# Altium PCB Archim.PcbDoc (part 3 of 5)
Units mil, origin at the board's own origin, x right, y up, seen from the top; angles counter-clockwise.
Board outline 4100 x 4050 mil, 4 copper layers (Top Layer, Ground Plane, Power Plane, Bottom Layer), stack 59.2 mil thick; 511 components, 264 nets, 1461 pads, 1193 vias.
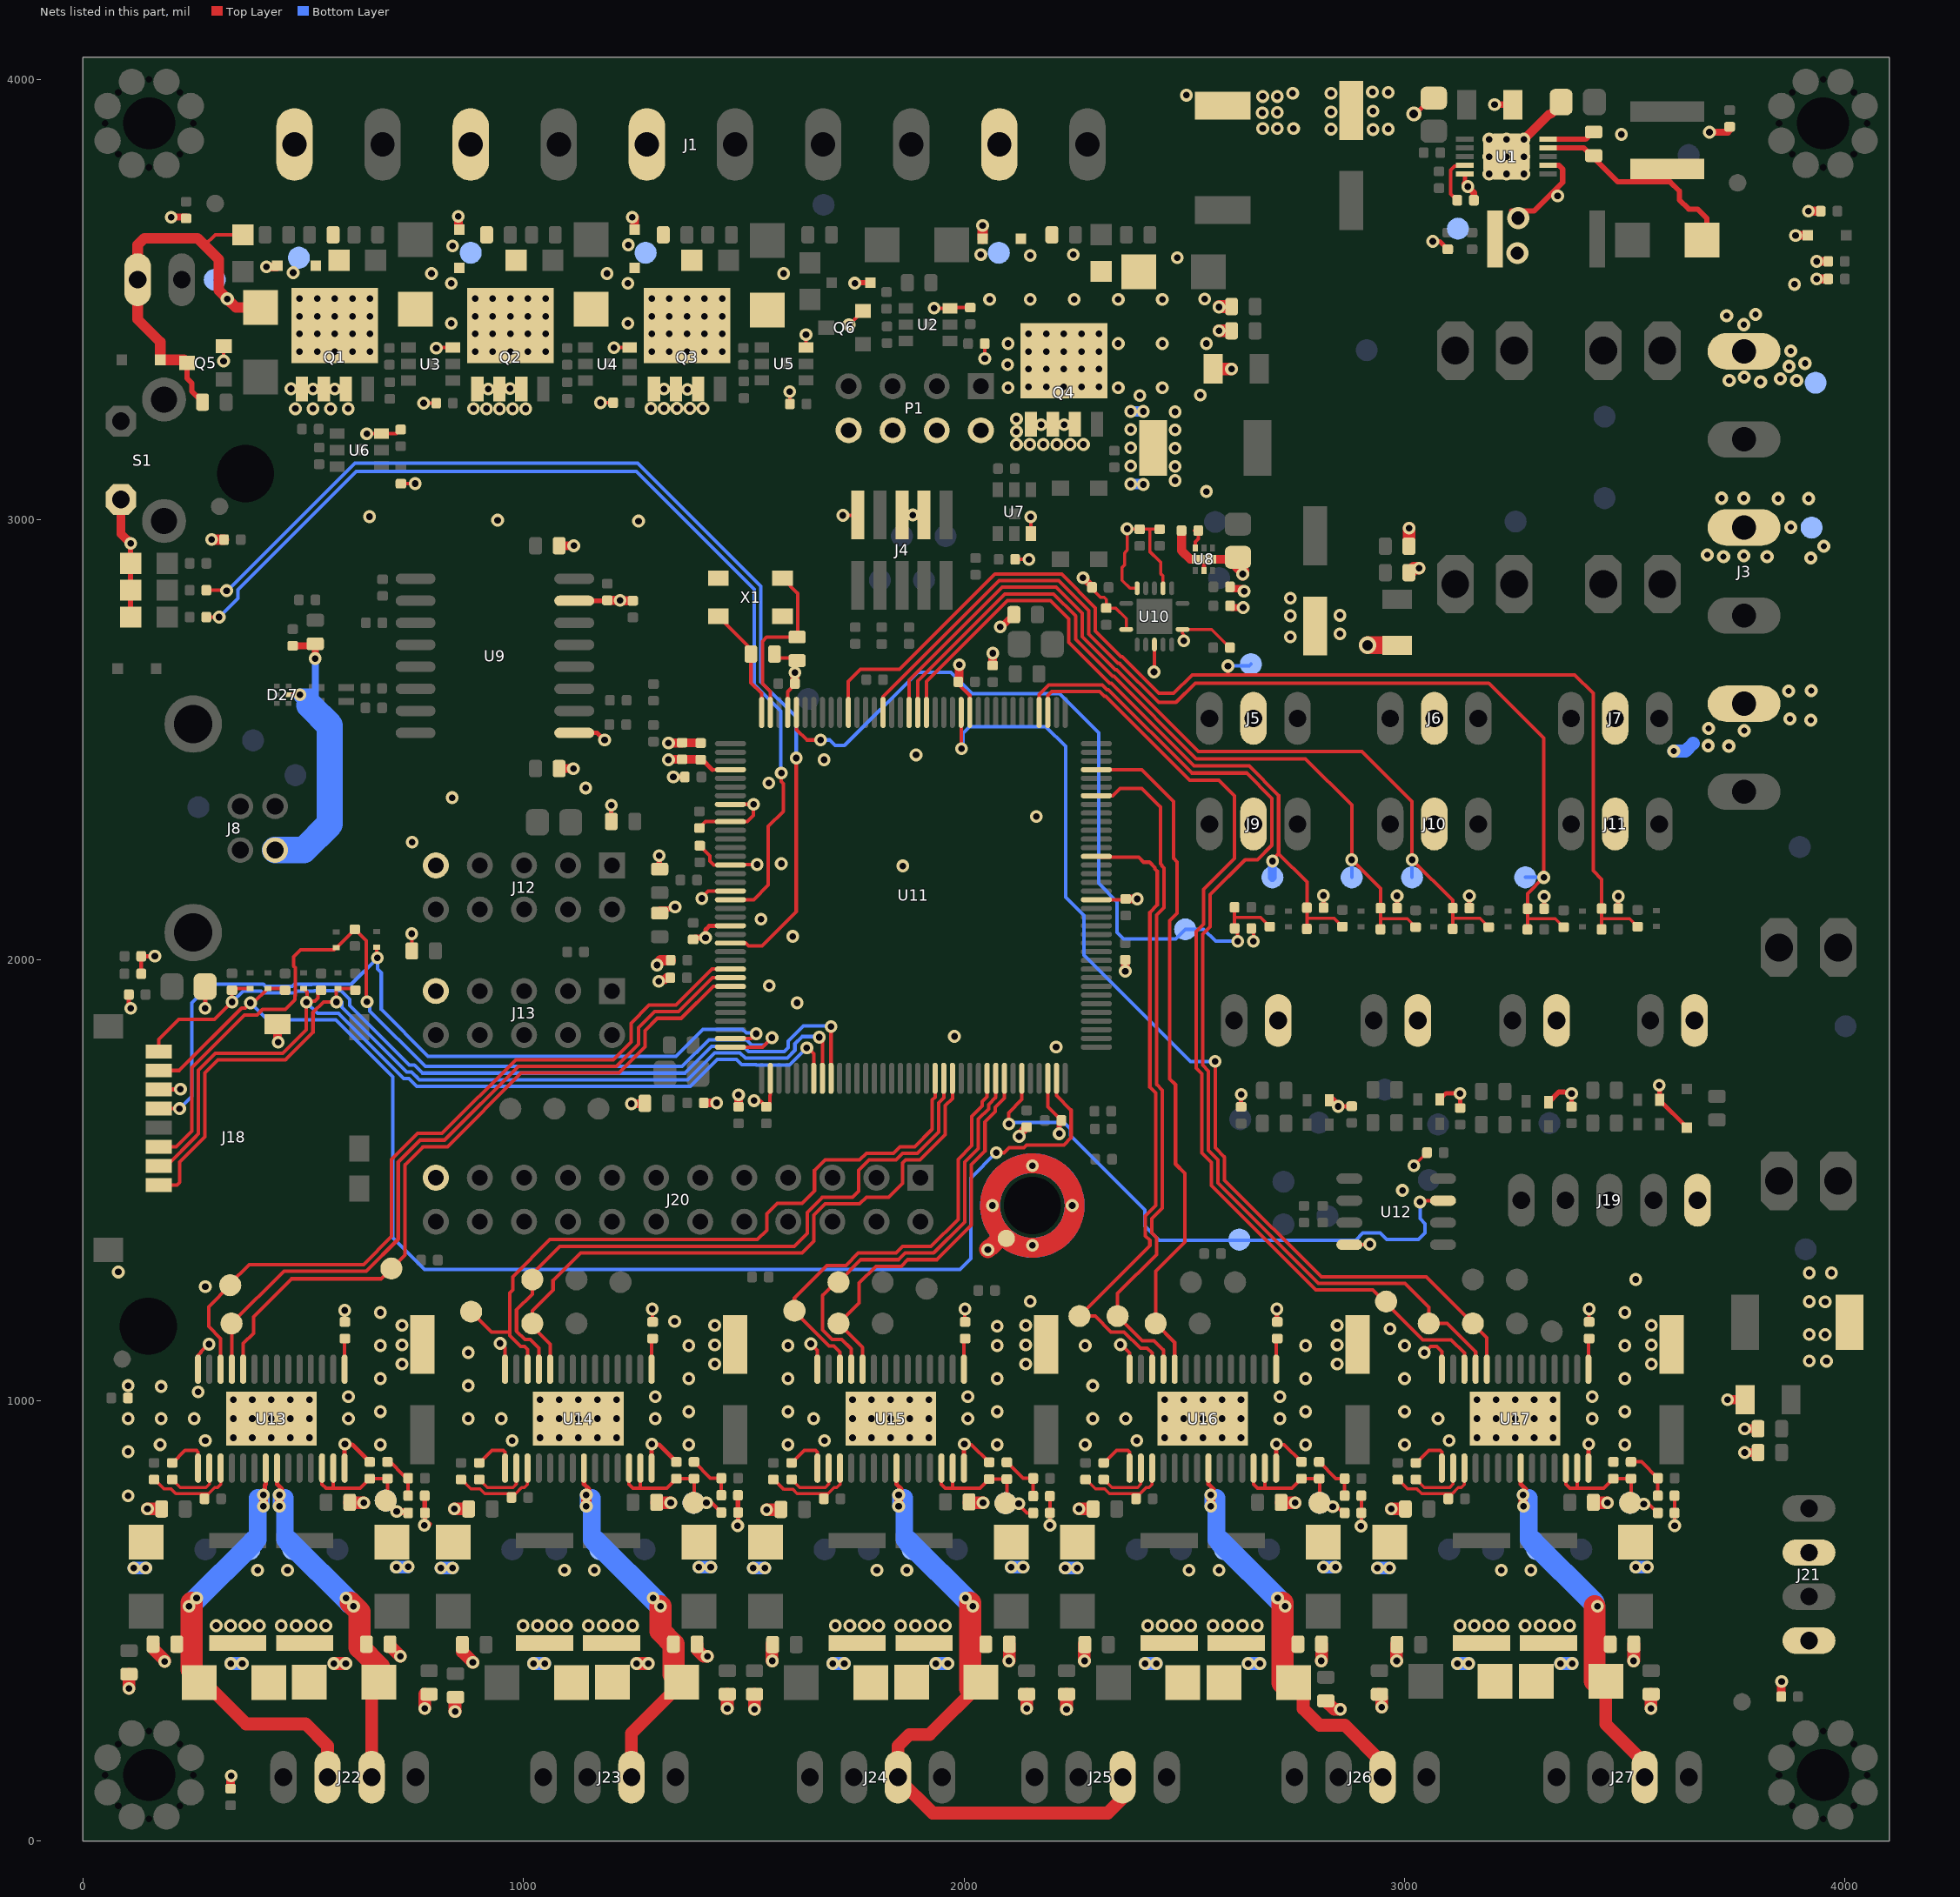
[diagram p5: the nets of this part, all layers, seen from the top]

## Via types
v1: diameter 29, hole 15, Top Layer to Bottom Layer, tented both sides, 953 vias
v2: diameter 30, hole 15, Top Layer to Bottom Layer, tented both sides, 105 vias
v3: diameter 30, hole 14, Top Layer to Bottom Layer, tented both sides, 99 vias
v4: diameter 40, hole 24, Top Layer to Bottom Layer, 16 vias
v5: diameter 30, hole 15, Top Layer to Bottom Layer, 9 vias
v6: diameter 25, hole 10, Top Layer to Bottom Layer, tented both sides, 4 vias
v7: diameter 50, hole 30, Top Layer to Bottom Layer, 2 vias
v8: diameter 40, hole 20, Top Layer to Bottom Layer, tented both sides, 1 vias
v9: diameter 34, hole 20, Top Layer to Bottom Layer, tented both sides, 1 vias
v10: diameter 40, hole 24, Top Layer to Bottom Layer, tented both sides, 1 vias
v11: diameter 38, hole 22, Top Layer to Bottom Layer, tented both sides, 1 vias
v12: diameter 45, hole 24, Top Layer to Bottom Layer, 1 vias

## Nets (pads, with @x,y where several pads share a name; then routed paths per layer and width w, separated by ;. In a path a pad name is that pad's centre, name@x,y a point inside that pad or via, vN(x,y) a via of type N, cw(c..) or ccw(c..) an arc to the next point about the centre after c; other vN are vias at no path point) (continued)
GND: C1.2 C2.2 C3.2 C4.2 C5.1 C7.2 C12.2 C13.2 C15.2 C16.2 C18.1 C19.1 C20.1 C21.1 C22.2 C23.1 C24.2 C25.2 C26.2 C27.2 C29.2 C30.2 C31.1 C33.2 C34.2 C35.2 C36.2 C37.1 C38.2 C41.2 C42.2 C44.2 C45.2 C46.2 C49.2 C50.2 C51.2 C52.2 C53.1 C54.2 C55.1 C56.2 C57.1 C58.2 C59.2 C60.2 C61.2 C62.2 C63.2 C64.2 C65.2 C66.1 C67.2 C68.2 C69.2 C70.2 C71.2 C72.1 C73.2 C74.2 C75.2 C76.2 C77.2 C78.2 C79.2 C80.2 C81.2 C82.2 C83.1 C84.1 C85.1 C86.1 C87.1 C88.2 C89.2 C90.2 C91.2 C92.2 C93.2 C94.2 C95.2 C96.1 C97.1 C103.1 C104.1 C105.1 C106.1 C107.1 C109.2 C114.2 C115.2 C116.2 C117.2 C118.2 C119.2 C120.2 C121.2 C122.2 C123.1 C124.1 C125.1 C126.2 C127.1 C128.1 C129.1 C130.1 C131.1 C132.2 C133.2 C134.2 C135.2 C136.2 C137.2 C138.2 C139.2 C140.2 C141.2 C142.2 C143.2 C144.2 C145.2 D1.A D3.A D4.A D5.C D10.A D11.A D14.A D22.A D23.C D24.C D25.C D34.A D38.A D40.A D41.A D42.A D43.A D44.A D45.A D46.A D47.A D48.A D49.A D50.A D51.A D52.A D53.A D54.A D55.A D56.A D57.A D58.A D59.A D60.A D61.A D62.A D63.A H4.1 J3.2 J3.4 J3.6 J4.3 J4.5 J4.9 J5.2 J6.2 J7.2 J9.2 J10.2 J11.2 J12.9 J13.9 J14.2 J15.2 J16.2 J17.2 J18.6 J18.14 J19.5 J20.23 J21.2 J21.4 P1.2 P1.4 P1.6 P1.8 Q1.1 Q1.2 Q1.3 Q2.1 Q2.2 Q2.3 Q3.1 Q3.2 Q3.3 Q4.1 Q4.2 Q4.3 Q5.2 Q6.2 R3.1 R4.1 R5.1 R11.2 R13.1 R26.1 R28.1 R29.1 R30.1 R32.1 R35.1 R39.1 R49.1 R66.2 R100.1 R103.1 R105.1 R107.1 R119.1 R120.1 R121.1 R122.1 R123.1 R124.1 R125.1 R126.1 R127.1 R128.1 R129.1 R130.1 R131.1 R132.1 S1.2 TP45.1 TP51.1 TP55.1 U1.5 U1.7 U1.11 U2.3 U3.3 U4.3 U5.3 U6.3 U7.3 U8.2 U8.7 U9.9 U9.15 U10.1 U10.4 U10.7 U10.10 U10.13 U11.12 U11.33 U11.44 U11.46 U11.51 U11.54 U11.58 U11.74 U11.106 U11.126 U12.4 U13.14 U13.28 U13.29 U14.14 U14.28 U14.29 U15.14 U15.28 U15.29 U16.14 U16.28 U16.29 U17.14 U17.28 U17.29 X1.2 X1.4 | length 9517.3
  Top Layer w7: v1(1725,3010) 1758.08,3010 J4.9@1759,3010.92 ; v1(2270,2868) v1@2270,2868.98 ; C31.1@2289.06,2849.92 2289.06,2844.47 2309.71,2823.82 2317.91,2823.82 2322.83,2818.9 R35.1@2322.83,2799.41 2344.29,2799.41 2368.11,2775.59 U10.1@2368.11,2750.98 ; v1@2366.14,2979.33 v1(2370.08,2979.33) ; U10.13@2392.72,2844.49 2376.97,2844.49 2358.86,2862.6 2358.86,2891.55 2364.88,2897.57 2364.88,2924.87 2366.14,2926.13 2366.14,2927.17 2370.08,2931.1 2370.08,2975.39 2366.93,2978.54 R29.1@2398.62,2978.54 2418.62,2978.54 ; v1(2431.1,2654.53) 2432.09,2655.51 U10.4@2432.09,2716.54 ; R30.1@2443.9,2978.54 2418.62,2978.54 ; U10.10@2451.77,2844.49 2451.77,2872.13 2446.09,2877.81 2446.09,2903.5 2430.45,2919.15 2430.13,2919.15 2421.4,2927.87 2421.4,2975.77 2418.62,2978.54 ; v1(2499.02,2725.39) 2499.02,2739.17 2496.06,2742.13 U10.7@2496.06,2750.98 2562.21,2750.98 R39.1@2603.54,2709.65 ; v1(3020.82,1533.54) 3020.82,1535.2 3022.64,1537.02 3016.54,1543.12 3031.01,1543.12 C82.2@3050.88,1562.99
  Top Layer w8: R66.2@131.9,1969 131.9,2008.9 C67.2@132,2009 ; U13.28@261.1,1071.2 261.1,1102.16 267.86,1108.91 267.86,1110.86 285,1128 v1(286,1128) ; v2(319,3360.26) 319.37,3360.63 Q5.2@319.37,3394 ; C83.1@593.57,1178.7 v1@593.57,1208 ; v1(644.01,3195.28) U6.3@677.47,3195.28 711.38,3195.28 R28.1@721,3204.9 ; C23.1@721.51,3081.79 721.72,3082 v1(754,3082) v1@754,3080.5 ; v1(746.06,2060.04) 746.23,2059.87 C66.1@746.23,2021 ; v1(773.23,3264.76) 775.2,3264.76 C19.1@801.77,3264.76 ; v1(801.77,3389.76) 802.76,3390.75 U3.3@839.17,3390.75 ; v1(946.9,1129.98) 948.02,1129.98 957.96,1120.04 U14.28@957.96,1071.2 ; v1(1174.8,3265.75) C20.1@1203.35,3265.75 ; v1(1205.32,3390.75) U4.3@1240.75,3390.75 U4.3@1241.07,3390.75 ; C84.1@1292.42,1178.7 v1(1292.42,1208) ; C52.2@1396,2297 C52.2@1399,2300 1413.43,2314.43 U11.46@1469.65,2314.43 1507.95,2314.43 1522,2328.48 v1(1522,2354) ; C54.2@1400,2260 1423.21,2236.79 1423.21,2224.79 1432,2216 U11.51@1469.65,2216 1470.65,2217 v1(1530,2217) ; v1(1405,2140) 1405,2143 1418.94,2156.94 U11.54@1469.65,2156.94 ; U11.44@1469.65,2353.8 v1@1517.2,2353.8 ; v1(1523,1681) 1537,1681 C77.2@1551,1667 1559,1675 1559,1693 1560.2,1694.2 U11.74@1560.2,1731.75 ; C42.2@1569.77,2695 1578.75,2686.02 1615.2,2686.02 C41.2@1621,2680.23 ; U11.33@1599.57,2562.46 1599.57,2609.57 C46.2@1615,2625 ; v1(1604.2,3291) 1604.2,3289.6 v1@1604.5,3289.3 ; C21.1@1604.5,3263 v1@1604.5,3289.3 ; v1(1641.2,3420) 1641.2,3422 1641.39,3421.8 U5.3@1641.39,3391.4 U5.3@1641.9,3390.9 ; v1(1652,1129) 1667.08,1113.92 U15.28@1667.08,1071.2 ; v2(1738.63,3442.63) 1739,3442.63 Q6.2@1770.37,3474 ; v2(1752,3537) v2@1753,3538 ; v1@1882,3011 v1@1882.08,3010.92 ; v1(1931.78,3480.4) 1931.78,3481.39 1932.76,3480.4 U2.3@1968.2,3480.4 1969.69,3481.9 R26.1@2014,3481.9 ; C45.2@1989,2634 C45.2@1987,2632 1987,2627.33 2012.95,2601.38 U11.12@2012.95,2562.46 ; v1@1999.76,900.22 2016.68,900.22 R107.1@2057,859.9 ; C85.1@2001.54,1178.7 v1@2001.54,1208 ; C18.1@2046.7,3400 2046.7,3366.3 v1(2047,3366) ; C22.2@2116,2910 2117,2911 2118,2910 v1(2147,2910) ; U7.3@2151.4,2968.12 v1(2151.4,3006.78) ; U11.106@2190.12,1731.75 2190.12,1666.88 C81.2@2221,1636 C81.2@2216,1631 ; C107.1@2194.7,783 C123.1@2194.7,745 2194.7,717.3 v1(2195,717) ; U11.126@2300.35,2137.26 C56.2@2364.26,2137.26 ; v1(2355,1127) 2356.48,1127 2375.68,1107.8 U16.28@2375.68,1071.2 ; C56.2@2364.26,2136.26 C56.2@2367,2139 ; C64.2@2652,2072 2657,2067 v1(2657,2043) ; v1@2708.36,900.22 2726.68,900.22 R103.1@2766,860.9 ; U12.4@2874.7,1354 2920,1354 v1(2921,1355) ; v1(2901,715) 2901.7,715.7 C124.1@2901.7,745 C105.1@2901.7,784 ; v1(3045,1109) 3059,1123 3073,1123 3084.54,1111.46 U17.28@3084.54,1071.2 ; C87.1@3419,1178.7 v1(3419,1208) ; C106.1@3612.7,784 C125.1@3612.7,745 3612.7,718.3 3613,718 v1(3613,716) ; v1@1604.5,3289.3 1604.5,3292.3 1605.2,3293 1605.2,3290 v1@1604.5,3289.3
  Top Layer w10: C71.2@104.13,1922 104.13,1900 108.13,1896 v1(108.13,1891) ; C67.2@132,2009 v1(163,2009) ; J18.6@171.77,1706.24 220.36,1706.24 v1(221.13,1707) ; v1(277.13,1891) C70.2@277.13,1940 ; U13.14@593.78,846.8 v1@593.78,900.22 ; v1(594.57,901) v1@593.78,900.22 ; C96.1@651,860.7 611.48,900.22 v1@593.78,900.22 ; C104.1@775.7,784 775.7,745.2 R120.1@775.9,745 v1@775.9,719.9 ; v1@786,717 786,719 v1@786.9,719.9 ; U9.9@1115.12,2516 1167.41,2516 1184,2499.41 v1(1184,2500) ; U9.15@1115.12,2816 1189,2816 C29.2@1190,2817 ; v1(1199,2352) 1199,2315.23 C53.1@1199.23,2315 ; U14.14@1290.64,846.8 v1@1290.64,900.22 ; v1(1291.42,901) v1@1290.64,900.22 ; v1(1303,1989) 1303,1992 v1@1311,2000 ; C69.2@1325,1960 1317,1960 1322,1965 C69.2@1337,1965 ; v1(1340,2416) C51.2@1366,2416 ; C97.1@1347,860.7 1307.48,900.22 v1@1290.64,900.22 ; R49.1@1359.1,2493 R49.1@1360,2493.9 ; C63.2@1385,2047 C63.2@1389,2051 ; C49.2@1401.1,2493.9 C49.2@1402,2493 ; v1(1413,2051) 1413,2069 1421.5,2077.5 1468.94,2077.5 U11.58@1469.65,2078.2 ; v1(1486,716) 1486.9,716.9 R119.1@1486.9,746 1486.7,746.2 C103.1@1486.7,785 ; U15.14@1999.76,846.8 1999.76,900.22 v1(2000.54,901) ; v1(2125,1600) v1@2125,1604 ; U8.2@2544.65,2885.01 U8.7@2544.65,2910.6 ; C78.2@2629,1666.87 v1(2629,1695) ; U16.14@2708.36,846.8 v1@2708.36,900.22 ; v1(2710.14,1208) 2710.14,1179.56 C86.1@2711,1178.7 2711,1193.06 ; C58.2@2816,2119 v1(2816,2147) ; v1(2849,1668) 2850,1668 2850.43,1668.43 C74.2@2880,1668.43 ; C59.2@2983,2118 v1(2983,2146) ; v9@3022,3920 3023.68,3920 3063.68,3960 C1.2@3066.18,3957.49 ; v1(3064,3632) 3080,3632 R11.2@3098,3614 ; D38.A@3080,1683.56 3094.44,1698 v1@3130,1698 ; C79.2@3126,1664.43 v1(3126,1697) ; v1@3136.83,3762.91 U1.5@3136.83,3785.06 ; C60.2@3147,2118 v1(3147,2146) ; C61.2@3316.82,2116.82 v1(3316.82,2144.82) ; 3362,1701 v1@3380,1701 ; C75.2@3379,1667.43 v1(3379,1697) ; U17.14@3417.22,846.8 3417.22,900.22 v1(3418,901) ; C62.2@3485,2117 v1(3485,2145) ; v1(3578,1716) 3579,1715 D40.A@3579,1682.56 3579,1682 D34.A@3641,1620 ; v1(2816,2147) 2817,2148 2817,2151 2816,2150 v1(2816,2147) ; v1(2983,2146) 2984,2147 2984,2150 2983,2149 v1(2983,2146) ; v1(3147,2146) 3148,2147 3148,2150 3147,2149 v1(3147,2146) ; v1(3316.82,2144.82) 3317.82,2145.82 3317.82,2148.82 3316.82,2147.82 v1(3316.82,2144.82) ; v1(3485,2145) 3486,2146 3486,2149 3485,2148 v1(3485,2145)
  Top Layer w12: D25.C@108,2779 D24.C@108,2840 D23.C@108,2901 v1(108,2946) ; C55.1@1307,2218.77 1308,2219.77 v1(1308,2237) ; C57.1@1309,2115.77 1309.23,2116 v1@1344,2116 ; v2@1753,3538 D3.A@1787,3538 ; v1(2216,1606) C81.2@2216,1631 ; v7@3243.36,3701.41 3294.42,3701.41 3358.88,3765.87 3358.88,3796.35 3350.49,3804.74 U1.7@3325.8,3804.74 ; D42.A@3327,1677.56 3350.44,1701 3362,1701
  Top Layer w14: C63.2@1389,2051 v1(1413,2051)
  Top Layer w15: v1@3136.83,3762.91 v1(3143.31,3756.43) 3157.31,3742.43 C7.2@3157.31,3725.43 ; v1(3204.24,3942.43) C4.2@3245.48,3942.43 C4.2@3246.46,3942.43 ; v1(3692,3880) 3733.77,3880 C5.1@3738,3884.23
  Top Layer w16: v1(200,3687) R3.1@234,3687 ; v1(2082,2757) 2085.23,2757 C37.1@2114.23,2786 ; v1@2270,2868.98 C31.1@2289.06,2849.92 ; C34.2@2603.65,2804.6 2607.65,2800.6 v1(2633.65,2800.6) ; C30.2@2603.65,2847.6 2607.65,2843.6 2629.65,2843.6 v1(2635.65,2837.6)
  Top Layer w20: S1.2@86,3046 86,2968 v1(108,2946) ; R132.1@335,118.9 335,149 v1(336,148) ; v1(416,3574) 439,3574 D14.A@441,3576 ; J18.14@441.46,1854.86 441.46,1813.98 v1(442.91,1813.98) ; v1(852,3689) 852,3669 D10.A@854,3667 ; C27.2@1080.77,2941 v1(1114,2941) ; C50.2@1086.77,2429 C50.2@1080.77,2435 v1(1113,2435) ; C29.2@1190,2817 v1(1219,2817) 1220,2816 C33.2@1248,2816 ; v1@1247,1674.23 C72.1@1274,1674.23 ; v1(1247,3687) 1252,3687 D11.A@1252,3659 ; v1(1307,1952) 1310.5,1955.5 1320.5,1955.5 C69.2@1325,1960 ; v1(1329,2493) R49.1@1359.1,2493 ; R49.1@1360,2493.9 C49.2@1401.1,2493.9 ; C73.2@1409,1676 v1(1438,1676) ; C76.2@1488,1667 v1(1488,1694) ; C46.2@1616,2628 1615,2629 1616,2630 v1(1616,2653) ; C45.2@1989,2634 v1(1989,2671) ; C44.2@2065,2669 v1(2065,2697) ; v1@2125,1604 C80.2@2142,1621 ; v1(2366,1975) C65.2@2366,2001 ; C56.2@2367,2139 v1(2393,2139) ; C26.2@2493.8,2975.39 2493.8,2929.8 2513,2910.6 U8.7@2544.65,2910.6 2617.65,2910.6 C24.2@2621.65,2914.6 ; D41.A@2829,1682 2835,1682 v1(2849,1668) ; v5(3270.68,3863.8) 3327,3920.11 3331,3920.11 3355.31,3944.43 C3.2@3355.31,3948.43 ; v1(3733,1002) C93.2@3772.83,1002 ; v1(3772,882) C95.2@3802.23,882 ; v1(3772,936) C94.2@3802.23,936 ; R131.1@3855.1,328 3855.1,361.1 v1(3856,362) ; v1(3887.51,3645.66) D5.C@3915.2,3645.66 ; v1(3916.58,3700.63) R4.1@3944.68,3700.63 ; v1(3935.51,3546.66) R13.1@3961.61,3546.66 ; v1(3935.51,3586.66) C12.2@3961.51,3586.66
  Top Layer w24: v1(292,2955) R32.1@320.1,2955 ; v1@1311,2000 C68.2@1334,2000 ; J4.5@1859,3010.92 1859.08,3011 1882,3011 1881.89,3010.89 1882.94,3009.84 v1(1883.86,3010.83) v1(1883.86,3010.83) ; v1@1882.08,3010.92 J4.3@1909,3010.92 ; D4.A@2042,3638 v1(2042,3668)
  Top Layer w29: v1(104.33,346.46) C136.2@104.33,378.74 ; v1(146.14,754) C118.2@178.37,754 ; C126.2@159.23,447 159.23,436 185.04,410.19 v1(185.04,407.48) ; v1(569.51,403) v1(596.51,403) ; C114.2@605.21,769 605.21,768 v1(637.14,768) ; C127.1@696.91,447 696.91,442.87 v1(720.34,419.44) ; v1(775.67,301) C137.2@775.67,333.23 ; v1(843,754) C119.2@875.23,754 ; v1(844.49,294.29) 844.49,326.54 C144.2@844.53,326.57 ; C132.2@861.15,446 861.15,429.2 v1(884.84,405.51) ; v1(1256.53,403) v1(1283.53,403) ; C115.2@1302.07,769 1302.07,768 v1(1334,768) ; C128.1@1393.77,447 1393.77,434.16 1408.49,419.44 v1(1417.2,419.44) ; v1(1462.53,301) C138.2@1462.53,333.23 ; v1(1524.12,299) C139.2@1524.12,333.23 ; v1(1552.12,752) C122.2@1584.35,752 ; C133.2@1563.95,447 1563.95,409.77 v1(1564.72,409) ; C109.2@2011.19,769 2011.19,768 v1(2043.12,768) ; v1(2102.12,409) 2102.89,409.77 C129.1@2102.89,447 ; v1(2142.12,301) C140.2@2142.12,333.23 ; v1(2232.72,299) C141.2@2232.72,333.23 ; v1(2260.72,754) C120.2@2292.95,754 ; C134.2@2272.55,447 2272.55,409.77 v1(2273.32,409) ; C16.2@2565.83,3343 2566.83,3342 v1(2607,3342) ; v1(2579,3429) C15.2@2607.23,3429 ; v1@2579,3484 C13.2@2607.23,3484 ; C24.2@2621.65,2914.6 2621.65,2894.6 2632.65,2883.6 v1(2632.65,2876.6) ; C116.2@2719.79,769 2719.79,768 v1(2751.72,768) ; v1(2810.72,409) 2811.49,409.77 C130.1@2811.49,447 ; C145.2@2821,318.23 2840.23,299 v1(2854,299) ; C142.2@2941.58,333.23 2948,326.8 v1(2948,304) ; v1(2969.58,754) C121.2@3001.8,754 ; C135.2@2981.41,447 2981.41,409.77 v1(2982.18,409) ; C35.2@3009.77,2880 3010.77,2879 3021.77,2890 v1(3033,2890) ; C36.2@3009.77,2940 3010,2940.23 v1(3010,2981) ; C117.2@3428.65,769 3428.65,768 v1(3460.58,768) ; v1(3519.58,409) 3520.35,409.77 C131.1@3520.35,447 ; v1(3559.58,301) C143.2@3559.58,333.23
  Top Layer w40: v1(2054,1343) 2054,1344 2057,1347 2059,1347 2087.12,1375.12 H4.1@2089.5,1377.5 ; v4(2916,2715) 2982.83,2715 C38.2@2983,2714.83
  Bottom Layer w20: v1@737.14,622 v1(738.14,623) ; v1@3550.58,622 3551,621.58 v1(3551,622)
  Bottom Layer w24: v1(2378,3081) 2406,3081 v1(2407,3080) ; v1(2378,3246) v1(2407,3246)
  Bottom Layer w29: v1(115.14,620) v1(142.14,620) ; v1(335.51,403) v1(361.51,403) ; v1(569.51,403) v1(596.51,403) ; v1(711.14,622) v1@737.14,622 ; v1(812,620) v1(839,620) ; v1(1022.53,403) v1(1048.53,403) ; v1(1256.53,403) v1(1283.53,403) ; v1(1398,622) v1(1425,622) ; v1(1521.12,620) v1(1548.12,620) ; v1(1702.12,403) v1(1728.12,403) ; v1(1936.12,403) v1(1963.12,403) ; v1(2107.12,622) v1(2134,622) ; v1(2229.72,620) v1(2256.72,620) ; v1(2410.72,403) v1(2436.72,403) ; v1(2644.72,403) v1(2671.72,403) ; v1(2815.72,622) v1(2843,622) ; v1(2938.58,620) v1(2965.58,620) ; v1(3119.58,403) v1(3145.58,403) ; v1(3353.58,403) v1(3380.58,403) ; v1(3524.58,622) v1@3550.58,622
  Bottom Layer w30: v3(3611,2475) 3638,2475 3655,2492
  other v1: 302.14,489 334.81,489 367.47,489 400.14,489 450.14,489 483.81,489 517.47,489 551.14,489 999,489 1031.67,489 1064.33,489 1097,489 1147,489 1180.67,489 1214.33,489 1248,489 1708.12,489 1740.79,489 1773.45,489 1806.12,489 1856.12,489 1889.79,489 1923.45,489 1957.12,489 2416.72,489 2449.38,489 2482.05,489 2514.72,489 2564.72,489 2598.38,489 2632.05,489 2665.72,489 3125.58,489 3158.24,489 3190.91,489 3223.58,489 3273.58,489 3307.24,489 3340.91,489 3374.58,489 396.14,615 464.14,615 1093,615 1161,615 1802.12,615 1870.12,615 2510.72,615 2578.72,615 3219.58,615 3287,615 775,717 102.44,784 102.44,884 175,900 675,900 1375,900 1600,900 2075,900 2275,900 2775,900 3000,900 3500,900 2709.14,901 277.44,909 974.3,909 1683.42,909 2392.02,909 3100.88,909 340.83,915.69 384.14,915.69 427.44,915.69 470.75,915.69 514.06,915.69 1037.69,915.69 1080.99,915.69 1124.3,915.69 1167.61,915.69 1210.92,915.69 1746.81,915.69 1790.11,915.69 1833.42,915.69 1876.73,915.69 1920.03,915.69 2455.4,915.69 2498.71,915.69 2542.02,915.69 2585.33,915.69 2628.63,915.69 3164.26,915.69 3207.57,915.69 3250.88,915.69 3294.18,915.69 3337.49,915.69 102.44,959 177.44,959 252.44,959 340.83,959 384.14,959 427.44,959 470.75,959 514.06,959 602.44,959 874.3,959 949.3,959 1037.69,959 1080.99,959 1124.3,959 1167.61,959 1210.92,959 1299.3,959 1658.42,959 1746.81,959 1790.11,959 1833.42,959 1876.73,959 1920.03,959 2008.42,959 2292.02,959 2367.02,959 2455.4,959 2498.71,959 2542.02,959 2585.33,959 2628.63,959 2717.02,959 3075.88,959 3164.26,959 3207.57,959 3250.88,959 3294.18,959 3337.49,959 3425.88,959 675,975 1375,975 1600,975 2075,975 2775,975 3000,975 3500,975 340.83,1002.31 384.14,1002.31 427.44,1002.31 470.75,1002.31 514.06,1002.31 1037.69,1002.31 1080.99,1002.31 1124.3,1002.31 1167.61,1002.31 1210.92,1002.31 1746.81,1002.31 1790.11,1002.31 1833.42,1002.31 1876.73,1002.31 1920.03,1002.31 2455.4,1002.31 2498.71,1002.31 2542.02,1002.31 2585.33,1002.31 2628.63,1002.31 3164.26,1002.31 3207.57,1002.31 3250.88,1002.31 3294.18,1002.31 3337.49,1002.31 602.44,1009 1299.3,1009 2008.42,1009 2717.02,1009 3425.88,1009 261.1,1020 177,1032 102.44,1034 874.3,1034 2292.02,1034 675,1050 1375,1050 1600,1050 2075,1050 2775,1050 3000,1050 3500,1050 724,1082.72 1434,1082.72 2140,1082.72 2847,1082.72 3560,1082.72 3919.01,1089.85 3957.68,1089.57 874.3,1109 675,1125 1375,1125 1600,1125 2075,1125 2275,1125 2775,1125 3000,1125 3500,1125 724,1126.36 1434,1126.36 2140,1126.36 2847,1126.36 3560,1126.36 3919.01,1149.85 3954.72,1149.61 2967,1163 2075,1169 724,1170.72 1434,1170.72 2140,1170.72 2847,1170.72 3560,1170.72 1343,1180 675,1200 3500,1200 594,1205 2002,1208 3954.72,1224.41 2150,1225 3919.01,1224.85 277.44,1259 3525,1275 3919.01,1289.85 3969.01,1289.85 80,1292 2155,1352.45 2064.45,1443 2245.55,1443 2995.08,1477.36 2155,1533.55 1245,1674 2209,1803 1978,1827 1621,1903 1558,1942 1611,2054 1539,2093 1344,2121 1861,2214 1585,2219 747,2268 2164,2326 838,2369 1141,2391 1557,2402 1682,2455 1891,2466 2741,2734 2853,2741 2741,2782 2853,2783 2741,2822 1261,2997 941,2999 650,3007 2550.24,3064.17 2479,3089 2479,3121.25 2378,3122.25 2479,3162.5 2378,3163.5 2119,3171 2149.4,3171 2179.8,3171 2210.2,3171 2240.6,3171 2271,3171 2119,3200 2479,3203.75 2378,3204.75 2175,3216 2227,3216 2119,3229 2479,3245 482,3252 522,3252 562,3252 602,3252 886.48,3252.13 915.94,3251.97 945.47,3251.97 975,3251.97 1004.53,3251.97 1288.98,3252.95 1318.5,3252.95 1348.03,3252.95 1377.56,3252.95 1407.09,3252.95 1372,3296 472.09,3297.41 522,3297 571,3297 920,3297 1319,3297 969,3298 2579,3483 3884.84,3534.45 3347.44,3735.24 3492,3875 2928,3886 2833,3887 2963,3887 2678,3888 2711,3888 2748,3888 2677,3924 2711,3925 2833,3926 2928,3928 2678,3961 2711,3961 2505,3964 2746,3968 2833,3968 2963,3970 2927,3971
  other v3: 3736,2486 3689,2487 3771,2521 3690,2526 3922,2545 3875,2548 3872,2611 3923,2612 3922,2913 3724,2916 3823,2916 3770,2918 3687,2920 3952,2940 3877,2983 3848,3048 3917,3048 3720,3049 3770,3049 3808,3313 3737,3316 3890,3316 3853,3320 3771,3324 3873,3348 3909,3355 3877,3383 3770,3443 3731,3463 3797,3466
  other v5: 3191.94,3785.06 3231.31,3785.06 3270.68,3785.06 3191.94,3824.43 3231.31,3824.43 3270.68,3824.43 3191.94,3863.8 3231.31,3863.8
  other v7: 3255.91,3605.31 3257.87,3685.04
  other v9: 3020.96,3921.26
HOLD#: TP78.1 U11.103 U12.7 | length 1352.6
  Top Layer w8: v1(2102,1628) 2101,1629 2101,1653.68 2131.06,1683.74 U11.103@2131.06,1731.75 ; v1(3035,1451) 3038,1454 U12.7@3087.3,1454
  Bottom Layer w8: v1(2102,1628) 2102,1630 2103.5,1631.5 2226.56,1631.5 2241.5,1616.56 2241.5,1601.5 2410,1433 2410,1396.94 2442.94,1364 2889,1364 2905.5,1380.5 2944.22,1380.5 2959.22,1365.5 3031.56,1365.5 3046.5,1380.44 3046.5,1401.56 3035,1413.06 v1(3035,1451)